# Altium PCB Fastino-DIOT.PCBDOC (part 6 of 22)
Units mm, origin at the board's own origin, x right, y up, seen from the top; angles counter-clockwise.
Board outline 222.63 x 100.1 mm, 8 copper layers (L1, L2, L3, P4, L5, L6, P7, L8), stack 1.563 mm thick; 1030 components, 787 nets, 3312 pads, 2498 vias.
Unrouted connection lines stored in the file: 424.
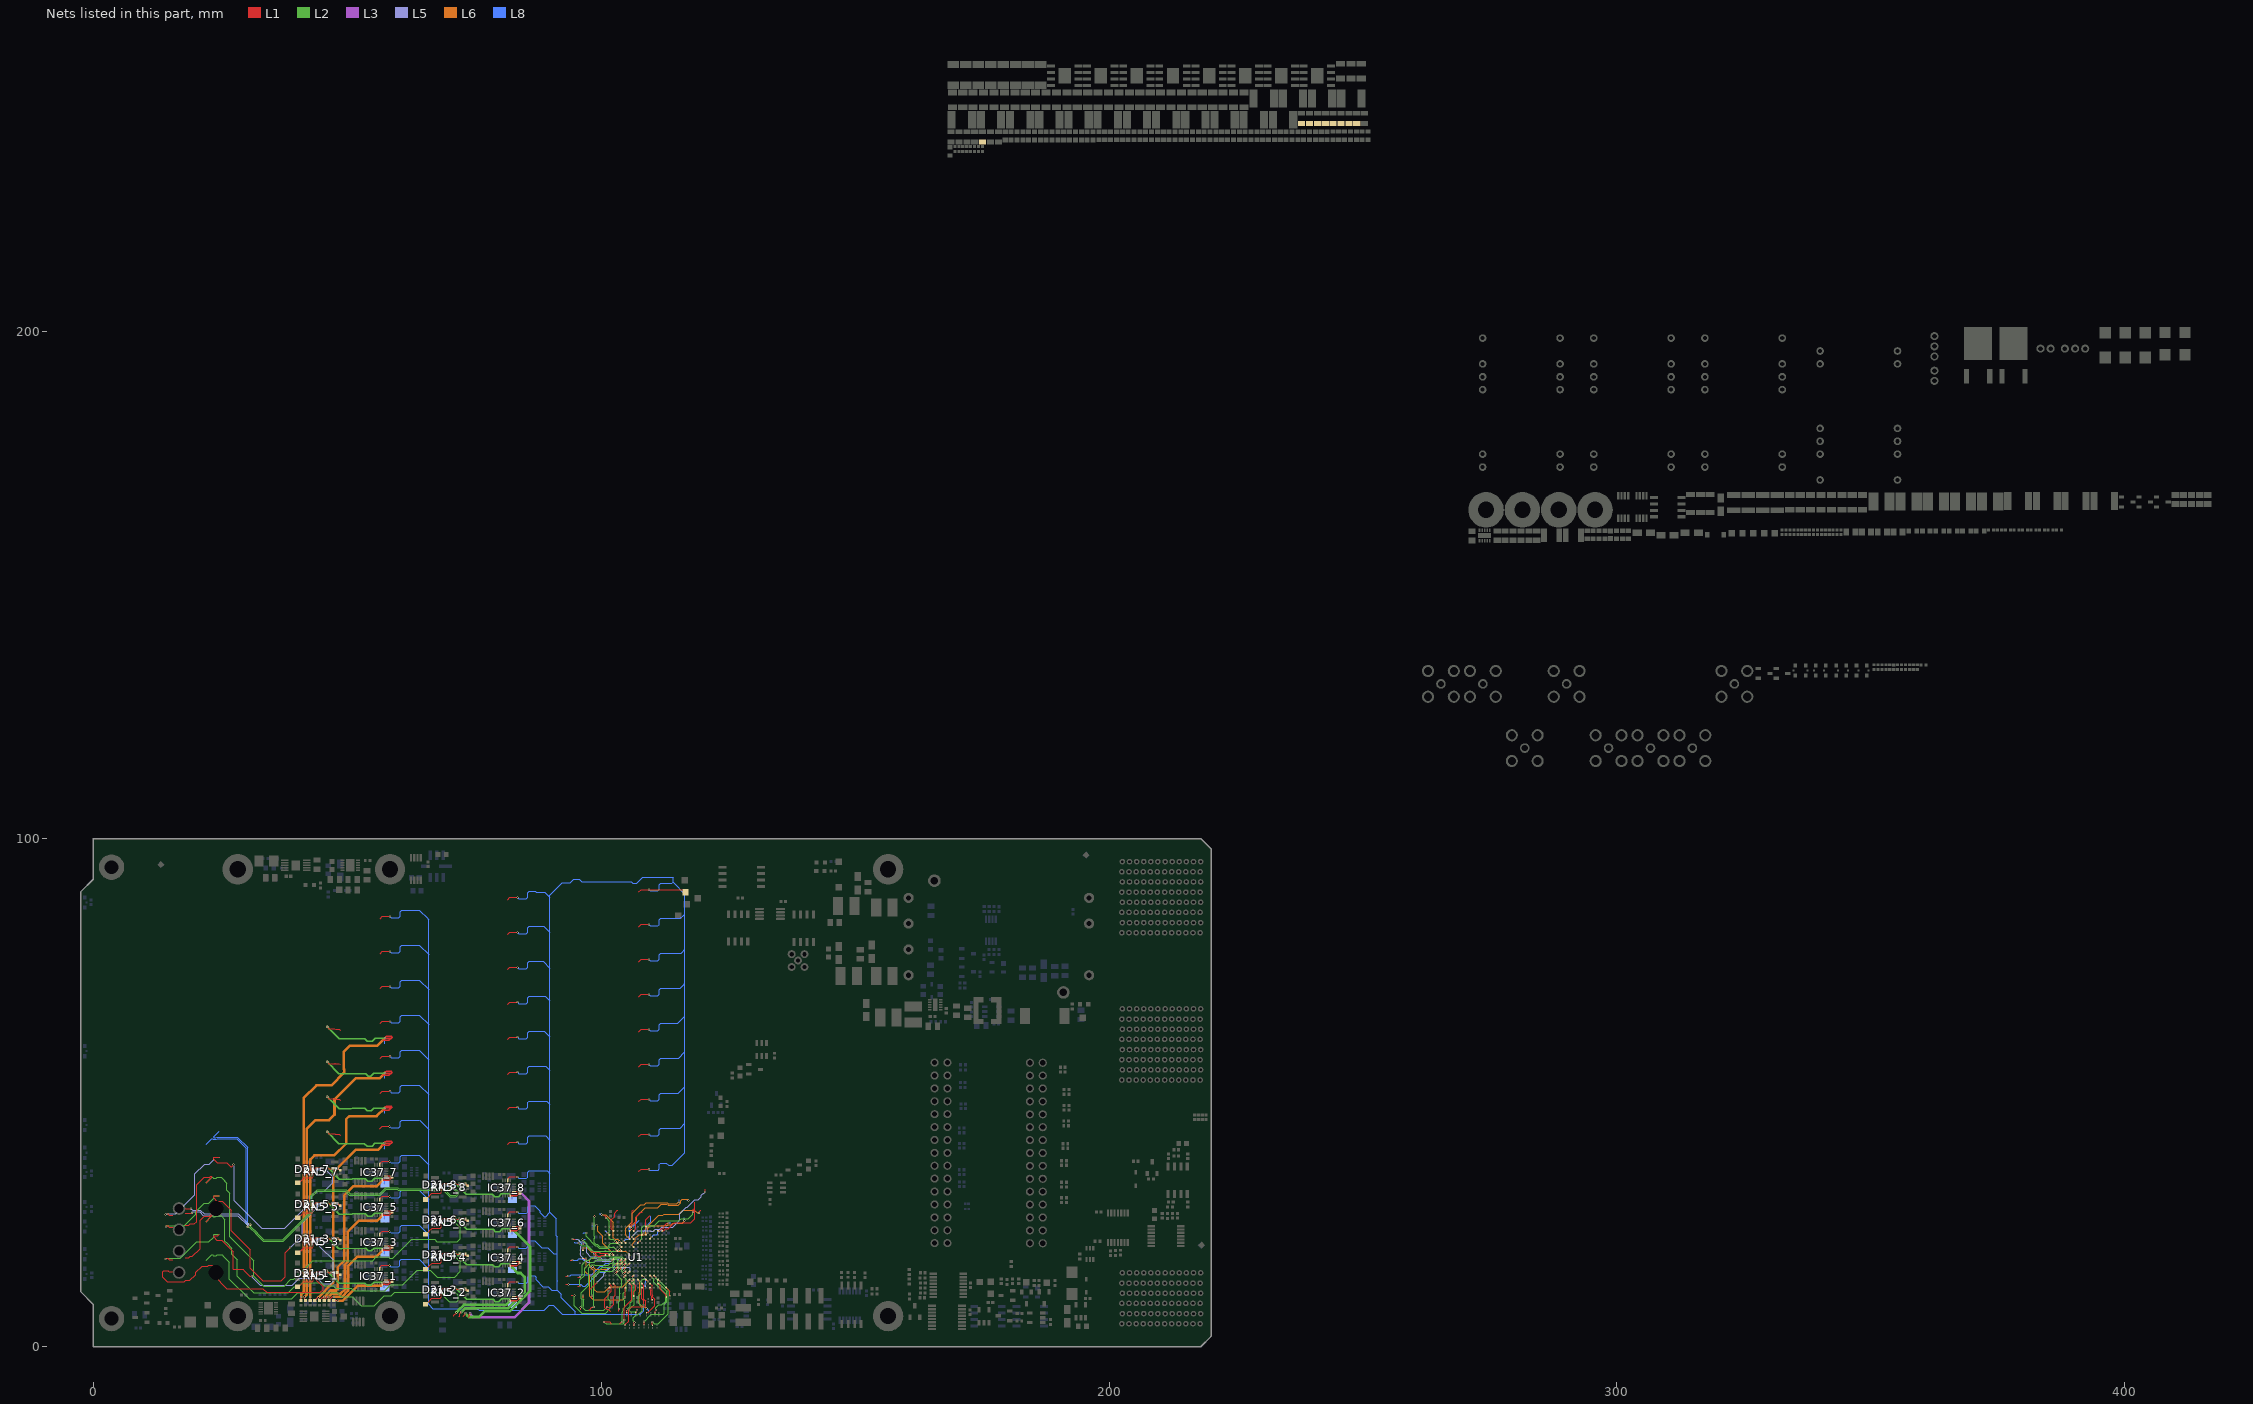
[diagram p12: the nets of this part, all layers, seen from the top]

## Via types
v1: diameter 0.4, hole 0.2, L1 to L8, tented both sides, 1919 vias
v2: diameter 0.5, hole 0.2, L1 to L8, tented both sides, 270 vias
v3: diameter 0.4, hole 0.2, L1 to L8, 170 vias
v4: diameter 0.7, hole 0.4, L1 to L8, tented both sides, 110 vias
v5: diameter 0.7, hole 0.4, L1 to L8, 29 vias

## Nets (pads, with @x,y where several pads share a name; then routed paths per layer and width w, separated by ;. In a path a pad name is that pad's centre, name@x,y a point inside that pad or via, vN(x,y) a via of type N, cw(c..) or ccw(c..) an arc to the next point about the centre after c; other vN are vias at no path point) (continued)
DAC_OUT_N8: R67_8.2 R73_8.1 | length 91.7
  L1 w0.152: 18.11,27.1 18.137,27.127 19.179,27.127 v1(19.206,27.154)
  L2 w0.152: v2(30.86,24.028) 30.927,23.961 30.927,23.733 32.252,22.408 32.252,22.337 33.556,21.033 37.25,21.033 42.799,26.582 42.799,29.692 44.032,30.925 49.75,30.925 50.55,30.125 56.349,30.125 57.549,31.325 59.915,31.325 60.176,31.064 69.062,31.064 70.281,29.845 71.322,29.845 71.653,30.176 71.653,30.302 70.706,31.249 70.423,31.249 70.258,31.084 v2(70.164,31.084)
  L5 w0.152: v1(19.206,27.154) 19.209,27.154 19.51,26.852 21.054,26.852 21.794,26.113 28.547,26.113 30.566,24.094 30.794,24.094 v2(30.86,24.028)
  L8 w0.152: 24.77,42.406 23.671,41.307 23.671,41.181 23.76,41.092 24.075,41.092 24.246,41.262 28.334,41.262 30.382,39.214 30.382,24.278 30.566,24.094 30.794,24.094 v2(30.86,24.028) ; v2(70.164,31.084) v2@70.214,31.084 ; v2@70.214,31.033 70.265,31.084 70.699,31.084 R67_8.2@70.993,31.379
DAC_OUT_P1: D21_1.3 R2_1.2 R58_1.1 | length 53.2
  L1 w0.152: 15.6,14.7 14.928,14.7 14.776,14.852 14.776,14.858 14.687,14.948 13.868,14.948 13.691,14.77 13.691,13.614 14.554,12.751 17.844,12.751 18.133,13.039 19.009,13.039 20.142,14.172 20.142,14.604 21.388,15.85 22.552,15.85 22.73,16.027 23.326,16.027 23.594,15.76 23.594,15.507 23.683,15.418 23.818,15.418 24.77,14.466 24.538,14.466 23.742,14.466 23.652,14.377 23.652,14.058 26.283,11.427 33.352,11.427 34.086,10.693 44.703,10.693 45.212,11.202 45.212,11.753 43.993,12.972 43.993,13.775 44.353,14.135 44.699,14.135 v2@44.864,14.3 ; R2_1.2@40.224,11.801 R2_1.2@40.325,11.801 ; R2_1.2@40.488,11.989 40.488,12.064 40.598,12.175 40.775,12.175 41.377,12.776 43.131,12.776 43.273,12.918 43.273,14.266 43.79,14.783 44.729,14.783 44.892,14.62 v2@44.892,14.322
  L8 w0.152: D21_1.3@44.517,14.315 44.532,14.3 v2(44.958,14.3)
DAC_OUT_P2: D21_2.3 R2_2.2 R58_2.1 | length 69.3
  L1 w0.152: R2_2.2@65.836,8.661 66.3,9.126 66.3,9.175 66.66,9.535 68.336,9.535 68.478,9.677 68.478,11.025 68.995,11.542 69.935,11.542 70.098,11.38 v2@70.098,11.081
  L2 w0.152: 22.23,17.006 23.329,18.105 23.455,18.105 23.634,17.927 24.201,17.927 24.334,18.059 25.35,18.059 25.585,17.825 26.784,16.625 26.784,13.272 30.633,9.423 39.09,9.423 40.258,10.592 47.983,10.592 48.755,9.82 50.955,9.82 52.775,8 55.32,8 57.29,9.97 58.634,9.97 59.35,10.686 68.232,10.686 70.079,8.839 71.526,8.839 71.793,9.107 71.793,10.095 70.994,10.894 70.423,10.894 70.258,11.059 v2(70.164,11.059)
  L8 w0.152: D21_2.3@69.723,11.074 69.738,11.059 v2(70.164,11.059)
DAC_OUT_P3: D21_3.3 R2_3.2 R58_3.1 | length 65.2
  L1 w0.152: v1(14.199,17.236) 14.266,17.236 14.377,17.348 14.687,17.348 14.776,17.258 14.776,17.252 14.928,17.1 15.6,17.1 ; 24.77,22.086 24.521,21.837 23.742,21.837 23.652,21.748 23.652,21.622 24.301,20.973 25.264,20.973 27.564,18.673 27.564,15.24 29.458,15.24 29.636,15.062 30.809,13.89 31.153,13.89 v1(31.183,13.86) ; R2_3.2@40.615,18.593 40.615,18.855 40.652,18.893 40.829,18.893 ; v2@44.948,20.955 v2(45.013,21.019) ; v2@44.968,21.019 44.946,21.04 44.946,21.339 44.784,21.501 43.844,21.501 43.327,20.985 43.327,19.637 43.185,19.495 41.527,19.495 ; 40.829,18.893 40.925,18.893 41.527,19.495 ; 40.829,18.893 41.431,19.495 41.527,19.495
  L2 w0.152: v1(14.199,17.236) 14.266,17.236 14.377,17.348 17.071,17.348 20.322,20.599 22.7,20.599 23.652,21.552 23.652,21.997 23.742,22.086 24.77,22.086 ; v2(45.013,21.019) v2@45.107,21.019
  L5 w0.152: v1(31.183,13.86) 31.23,13.813 31.23,13.656 32.821,12.065 39.192,12.065 40.564,13.437 44.043,13.437 45.135,12.344 46.735,12.344 47.247,12.856 47.247,17.052 44.699,19.6 44.688,19.6 44.14,20.149 44.14,20.586 44.408,20.854 44.753,20.854 44.918,21.019 v2(45.013,21.019)
  L8 w0.152: D21_3.3@44.572,21.034 44.587,21.019 v2(45.013,21.019)
DAC_OUT_P4: D21_4.3 R2_4.2 R58_4.1 | length 91.7
  L1 w0.152: 18.11,17.5 18.782,17.5 18.934,17.652 18.934,17.658 19.023,17.748 19.474,17.748 20.988,19.261 20.988,24.909 21.783,25.705 22.877,25.705 23.113,25.941 23.24,25.941 23.329,25.852 23.329,25.725 22.23,24.626 ; R2_4.2@65.71,15.342 65.71,15.422 66.266,15.978 66.266,16.01 66.678,16.422 68.336,16.422 68.478,16.564 68.478,17.912 68.995,18.429 69.935,18.429 70.098,18.266 v2@70.098,17.967
  L2 w0.152: 22.23,24.626 23.329,25.725 23.455,25.725 23.634,25.547 24.013,25.547 24.196,25.73 25.155,25.73 25.883,25.003 25.883,20.753 26.22,20.415 27.237,19.398 27.237,18.153 27.845,17.545 28.27,17.12 28.27,13.895 31.522,10.643 38.405,10.643 39.573,11.811 40.436,11.811 41.15,12.525 44.9,12.525 45.48,11.945 47.253,11.945 47.699,11.5 50.756,11.5 51.261,10.995 57.326,10.995 58.531,12.2 60.891,12.2 63.728,15.037 66.333,15.037 67.679,13.691 71.119,13.691 72.238,14.81 72.238,16.737 71.194,17.781 70.423,17.781 70.258,17.946 v2(70.164,17.946)
  L8 w0.152: D21_4.3@69.723,17.961 69.738,17.946 v2(70.164,17.946)
DAC_OUT_P5: D21_5.3 R2_5.2 R58_5.1 | length 67.3
  L1 w0.152: v1(14.275,23.636) 14.342,23.636 14.453,23.748 14.703,23.748 14.776,23.675 14.776,23.652 14.928,23.5 15.6,23.5 ; 24.77,29.706 23.742,29.706 23.652,29.617 23.652,29.298 24.323,28.628 25.397,28.628 27.178,26.847 27.178,22.828 30.897,19.109 30.897,15.417 33.359,12.954 37.008,12.954 37.795,13.742 37.795,18.521 38.62,19.345 38.62,19.502 v1(38.667,19.55) ; R2_5.2@40.411,25.679 40.552,25.679 R2_5.2@40.659,25.787 ; R2_5.2@40.665,25.781 40.792,25.781 41.393,26.381 43.185,26.381 43.327,26.523 43.327,27.871 43.844,28.388 44.784,28.388 44.946,28.225 44.946,27.927 v2@44.968,27.905 ; v2@44.948,27.841 v2(45.013,27.905)
  L2 w0.152: v1(14.275,23.636) 14.342,23.636 14.453,23.748 17.843,23.748 20.113,26.017 20.113,26.538 21.794,28.219 22.7,28.219 23.652,29.172 23.652,29.617 23.742,29.706 24.77,29.706 ; v2(45.013,27.905) v2@45.107,27.905
  L5 w0.152: v1(38.667,19.55) 38.715,19.597 38.872,19.597 41.072,21.797 41.072,24.409 44.403,27.74 44.753,27.74 44.918,27.905 v2(45.013,27.905)
  L8 w0.152: D21_5.3@44.572,27.92 44.587,27.905 v2(45.013,27.905)
DAC_OUT_P6: D21_6.3 R2_6.2 R58_6.1 | length 99.2
  L1 w0.152: 18.11,23.9 18.782,23.9 18.934,24.052 18.934,24.058 19.023,24.148 19.887,24.148 20.295,24.555 20.295,31.836 21.783,33.325 22.877,33.325 23.113,33.561 23.24,33.561 23.329,33.472 23.329,33.345 22.23,32.246 ; R2_6.2@65.43,22.079 65.48,22.079 66.137,22.735 66.137,22.767 66.678,23.309 68.336,23.309 68.478,23.451 68.478,24.798 68.995,25.315 69.935,25.315 70.098,25.153 v2@70.098,24.854
  L2 w0.152: 22.23,32.246 23.329,33.345 23.455,33.345 23.634,33.167 24.201,33.167 24.334,33.299 25.206,33.299 25.823,32.682 25.823,32.572 26.238,32.157 26.238,30.811 26.886,30.164 26.886,21.628 31.611,16.903 31.611,13.805 33.516,11.9 37.532,11.9 38.893,13.26 39.471,13.26 43.153,16.942 54.992,16.942 55.708,17.658 58.086,17.658 58.339,17.405 58.962,17.405 62.674,21.116 67.202,21.116 67.643,20.676 71.678,20.676 72.213,21.21 72.213,23.392 70.937,24.668 70.423,24.668 70.258,24.833 v2(70.164,24.833)
  L8 w0.152: D21_6.3@69.723,24.848 69.738,24.833 v2(70.164,24.833)
DAC_OUT_P7: D21_7.3 R2_7.2 R58_7.1 | length 69.7
  L1 w0.127: v1@27.559,35.714 v1(27.559,35.811)
  L1 w0.152: 14.402,26.148 14.687,26.148 14.776,26.058 14.776,26.052 14.928,25.9 15.6,25.9 ; 24.77,37.326 23.742,37.326 23.652,37.237 23.652,36.918 24.352,36.219 26.233,36.219 27.033,35.419 27.264,35.419 v1@27.559,35.714 ; R2_7.2@40.564,32.614 40.589,32.588 40.818,32.588 41.498,33.268 43.185,33.268 43.327,33.41 43.327,34.758 43.844,35.275 44.784,35.275 44.946,35.112 v2@44.946,34.813 ; v2@44.948,34.728 v2(45.013,34.792)
  L5 w0.127: v1(27.559,35.811) 27.559,35.737 27.683,35.614 27.683,28.691 33.107,23.266 37.632,23.266 42.951,28.586 42.951,29.732 43.826,30.607 45.455,30.607 47.103,32.255 47.103,33.48 45.969,34.614 45.273,34.614 45.096,34.792 v2(45.013,34.792)
  L5 w0.152: v1(14.224,26.036) 14.291,26.036 14.402,26.148 16.215,26.148 19.988,29.92 19.988,34.034 21.897,35.943 22.803,35.943 23.652,36.792 23.652,37.237 23.742,37.326 24.77,37.326 ; v1@14.224,26.086 v1@14.226,26.084
  L8 w0.152: D21_7.3@44.572,34.807 44.587,34.792 v2(45.013,34.792)
DAC_OUT_P8: D21_8.3 R2_8.2 R58_8.1 | length 99.4
  L1 w0.152: 18.11,26.3 18.115,26.305 19.399,26.305 v1(19.405,26.311) ; R2_8.2@65.43,28.966 65.48,28.966 66.259,29.744 66.259,29.79 66.664,30.195 68.336,30.195 68.478,30.337 68.478,31.685 68.995,32.202 69.935,32.202 70.098,32.039 v2@70.098,31.741
  L2 w0.152: v2(30.417,23.584) 30.483,23.518 30.711,23.518 31.947,22.282 31.947,22.211 33.43,20.728 37.376,20.728 43.104,26.456 43.104,29.566 44.158,30.62 49.624,30.62 50.424,29.82 56.35,29.82 56.475,29.82 57.675,31.02 59.789,31.02 60.05,30.759 68.936,30.759 70.155,29.54 71.449,29.54 71.958,30.05 71.958,30.428 70.832,31.554 70.423,31.554 70.258,31.719 v2(70.164,31.719)
  L5 w0.152: v1(19.405,26.311) 19.452,26.358 19.452,26.543 19.457,26.548 20.928,26.548 21.667,25.808 28.421,25.808 30.35,23.879 30.35,23.651 v2(30.417,23.584)
  L8 w0.152: 22.23,39.866 23.329,40.965 23.455,40.965 23.634,40.787 24.201,40.787 24.372,40.957 28.207,40.957 30.077,39.088 30.077,24.152 30.35,23.879 30.35,23.651 v2(30.417,23.584) ; D21_8.3@69.723,31.734 69.738,31.719 v2(70.164,31.719)
DAC_REF_P5V1: C101_1.2 C138_1.1 IC37_1.4 IC37_1.5 R1.2 R297_1.2 RN5_1.3 | length 33.1
  L1 w0.127: v2(45.949,14.884) 46.304,14.529 RN5_1.3@47.473,14.529 ; RN5_1.3@47.473,14.554 47.674,14.352 48.442,14.352 48.603,14.191 R297_1.2@48.603,14.166 ; IC37_1.5@57.355,12.986 57.435,13.066 IC37_1.5@57.605,13.066
  L1 w0.203: R1.2@47.346,9.246 R1.2@47.346,9.296 ; R1.2@47.371,9.093 v1@47.981,9.093
  L1 w0.254: IC37_1.4@56.855,12.316 56.855,12.264 56.876,12.243 58.052,12.243 58.352,12.542 58.431,12.542 C101_1.2@58.563,12.675 ; v1(57.302,12.675) C101_1.2@58.563,12.675 ; IC37_1.5@57.605,13.066 57.613,13.057 C101_1.2@58.698,13.057 ; C101_1.2@58.767,12.878 C101_1.2@58.563,12.675
  L2 w0.254: v2(45.949,14.884) 48.358,12.475 50.875,12.475 50.917,12.517 53.433,12.517 53.9,12.05 54.65,12.05 55.262,12.662 57.29,12.662 v1(57.302,12.675)
  L6 w0.508: v1(48.108,9.017) 49.064,9.017 52.014,11.967 56.594,11.967 v1@57.277,12.649
  L8 w0.127: C138_1.1@57.243,11.597 57.302,11.657 v1(57.302,12.675)
DAC_REF_P5V2: C101_2.2 C138_2.1 IC37_2.4 IC37_2.5 R272.2 R297_2.2 RN5_2.3 | length 34.9
  L1 w0.127: 70.993,5.982 70.993,6.198 v1(71.501,6.706) ; v2(71.154,11.644) 71.51,11.288 RN5_2.3@72.678,11.288 ; RN5_2.3@72.678,11.313 72.822,11.17 73.696,11.17 R297_2.2@73.857,11.008 ; IC37_2.5@82.56,9.746 82.64,9.825 IC37_2.5@82.81,9.825
  L1 w0.254: IC37_2.4@82.06,9.075 82.06,9.023 IC37_2.4@82.076,9.007 ; IC37_2.4@82.076,9.129 IC37_2.4@82.076,9.007 ; v1(82.508,9.434) C101_2.2@83.769,9.434 ; IC37_2.5@82.81,9.825 82.819,9.817 C101_2.2@83.903,9.817 ; C101_2.2@84.007,9.713 84.007,9.672 C101_2.2@83.972,9.638 C101_2.2@83.769,9.434 ; IC37_2.4@82.076,9.007 82.081,9.002 83.258,9.002 83.557,9.302 83.636,9.302 C101_2.2@83.769,9.434
  L2 w0.254: v2(71.154,11.644) 73.48,9.317 78.719,9.317 79.162,8.875 79.85,8.875 80.396,9.421 v1@82.446,9.421
  L2 w0.508: v1@71.501,6.749 v1(71.501,6.706) 71.826,7.03 71.826,7.073 72.96,8.207 81.232,8.207 v1@82.446,9.421
  L8 w0.127: C138_2.1@82.448,8.357 82.508,8.416 v1(82.508,9.434)
DAC_REF_P5V3: C101_3.2 C138_3.1 IC37_3.4 IC37_3.5 R4.2 R297_3.2 RN5_3.3 | length 39.9
  L1 w0.127: v2(46.003,21.603) 46.359,21.247 RN5_3.3@47.527,21.247 ; IC37_3.5@57.409,19.705 57.489,19.785 IC37_3.5@57.659,19.785
  L1 w0.203: 46.38,9.106 47.053,9.779 v1(47.371,9.779)
  L1 w0.254: RN5_3.3@47.527,21.273 47.7,21.1 48.455,21.1 48.603,20.951 R297_3.2@48.603,20.926 ; IC37_3.4@56.909,19.035 56.909,18.983 IC37_3.4@56.925,18.967 ; IC37_3.4@56.925,19.088 IC37_3.4@56.925,18.967 ; v1(57.357,19.393) C101_3.2@58.618,19.393 ; IC37_3.5@57.659,19.785 57.668,19.776 C101_3.2@58.752,19.776 ; C101_3.2@58.856,19.673 58.856,19.631 C101_3.2@58.821,19.597 C101_3.2@58.618,19.393 ; IC37_3.4@56.925,18.967 56.93,18.961 58.107,18.961 58.406,19.261 58.485,19.261 C101_3.2@58.618,19.393
  L2 w0.254: v2(46.003,21.603) 48.205,19.401 48.28,19.327 48.404,19.288 48.561,19.235 48.937,19.235 53.434,19.332 53.642,19.332 54.125,18.85 54.725,18.85 55.256,19.381 57.345,19.381 v1(57.357,19.393)
  L6 w0.508: v1(47.371,9.779) 48.928,9.779 50.168,11.019 50.168,15.904 51.93,17.666 55.664,17.666 v1@57.379,19.38
  L8 w0.127: C138_3.1@57.297,18.316 57.357,18.376 v1(57.357,19.393)
DAC_REF_P5V4: C101_4.2 C138_4.1 IC37_4.4 IC37_4.5 R5.2 R297_4.2 RN5_4.3 | length 44.2
  L1 w0.127: v2(71.154,18.53) 71.51,18.175 RN5_4.3@72.678,18.175 ; RN5_4.3@72.678,18.2 72.863,18.015 73.643,18.015 R297_4.2@73.805,17.853 ; IC37_4.5@82.56,16.632 82.64,16.712 IC37_4.5@82.81,16.712
  L1 w0.203: 71.907,5.982 72.156,5.982 72.181,6.007 72.181,6.478 72.423,6.719 72.423,6.848 v1@72.403,6.868
  L1 w0.254: IC37_4.4@82.06,15.962 82.06,15.91 IC37_4.4@82.076,15.894 ; IC37_4.4@82.076,16.016 IC37_4.4@82.076,15.894 ; v1(82.508,16.32) C101_4.2@83.769,16.32 ; IC37_4.5@82.81,16.712 82.819,16.703 C101_4.2@83.903,16.703 ; C101_4.2@84.007,16.6 84.007,16.558 C101_4.2@83.972,16.524 C101_4.2@83.769,16.32 ; IC37_4.4@82.076,15.894 82.081,15.889 83.258,15.889 83.557,16.188 83.636,16.188 C101_4.2@83.769,16.32
  L2 w0.254: v2(71.154,18.53) 73.522,16.162 78.58,16.162 78.993,15.75 79.778,15.75 80.336,16.308 82.496,16.308 v1(82.508,16.32)
  L2 w0.508: v1(72.461,6.81) 73.223,7.572 81.721,7.572 84.92,10.771 84.92,13.708 84.141,14.487 83.555,14.487 82.508,15.535 v1(82.508,16.32)
  L8 w0.127: C138_4.1@82.448,15.243 82.508,15.303 v1(82.508,16.32)
  L8 w0.203: v1@72.423,6.848 v1(72.461,6.81)
DAC_REF_P5V5: C101_5.2 C138_5.1 IC37_5.4 IC37_5.5 R6.2 R297_5.2 RN5_5.3 | length 108.6
  L1 w0.127: v2(46.003,28.49) 46.359,28.134 RN5_5.3@47.527,28.134 ; v2(46.003,42.263) 46.359,41.907 47.527,41.907 ; 47.527,41.933 47.646,41.814 48.442,41.814 48.603,41.653 48.603,41.628 ; IC37_5.5@57.409,26.591 57.489,26.671 IC37_5.5@57.659,26.671 ; 57.409,40.365 57.489,40.445 57.659,40.445
  L1 w0.203: R6.2@43.566,9.081 43.586,9.081 43.896,9.39 43.896,9.416 44.182,9.703 v1(44.323,9.703) ; 45.456,9.102 45.476,9.102 45.842,9.467 45.842,9.491 46.067,9.716 46.292,9.716 v1(46.33,9.754)
  L1 w0.254: RN5_5.3@47.527,28.159 48.002,28.159 48.267,27.894 48.505,27.894 48.603,27.796 R297_5.2@48.603,27.771 ; IC37_5.4@56.909,25.921 56.909,25.869 IC37_5.4@56.925,25.853 ; 56.909,39.695 56.909,39.642 56.925,39.626 ; IC37_5.4@56.925,25.975 IC37_5.4@56.925,25.853 ; 56.925,39.748 56.925,39.626 ; v1(57.357,26.28) C101_5.2@58.618,26.28 ; v1(57.357,40.053) 58.618,40.053 ; IC37_5.5@57.659,26.671 57.668,26.663 C101_5.2@58.752,26.663 ; 57.659,40.445 57.668,40.436 58.752,40.436 ; C101_5.2@58.856,26.559 58.856,26.518 C101_5.2@58.821,26.484 C101_5.2@58.618,26.28 ; 58.856,40.332 58.856,40.291 58.821,40.257 58.618,40.053 ; IC37_5.4@56.925,25.853 56.93,25.848 58.107,25.848 58.406,26.148 58.485,26.148 C101_5.2@58.618,26.28 ; 56.925,39.626 56.93,39.621 58.107,39.621 58.406,39.921 58.485,39.921 58.618,40.053
  L2 w0.254: v2(46.003,28.49) 48.429,26.064 50.937,26.064 50.995,26.122 53.503,26.122 54,25.625 54.775,25.625 55.417,26.267 57.345,26.267 v1(57.357,26.28) ; v2(46.003,42.263) 48.334,39.932 50.83,39.932 50.876,39.978 53.372,39.978 53.875,39.475 54.875,39.475 55.441,40.041 57.345,40.041 v1(57.357,40.053)
  L6 w0.508: v1(44.323,9.703) 47.193,12.573 47.193,34.299 51.642,38.748 56.045,38.748 v1@57.353,40.056 ; v1@46.33,9.728 v1(46.33,9.754) 46.99,10.414 48.665,10.414 49.533,11.282 49.533,16.167 50.063,16.697 50.063,22.581 52.299,24.816 55.905,24.816 v1@57.353,26.264
  L8 w0.127: C138_5.1@57.297,25.203 57.357,25.262 v1(57.357,26.28) ; 57.297,38.976 57.357,39.035 v1(57.357,40.053)
DAC_REF_P5V6: C101_6.2 C138_6.1 IC37_6.4 IC37_6.5 R10.2 R297_6.2 RN5_6.3 | length 122.8
  L1 w0.127: v2(46.029,49.195) 46.385,48.84 47.553,48.84 ; 47.553,48.865 47.713,48.705 48.442,48.705 48.603,48.544 48.603,48.519 ; 57.435,47.297 57.515,47.377 57.685,47.377 ; v2(71.154,25.417) 71.51,25.061 RN5_6.3@72.678,25.061 ; RN5_6.3@72.678,25.087 73.153,25.087 73.458,24.782 R297_6.2@73.857,24.782 ; IC37_6.5@82.56,23.519 82.64,23.599 IC37_6.5@82.81,23.599
  L1 w0.203: R10.2@42.68,9.081 v1(42.68,9.728) ; 72.822,5.982 72.847,5.982 73.228,6.363 v1(73.228,6.579)
  L1 w0.254: 56.935,46.627 56.935,46.575 56.951,46.559 ; 56.951,46.681 56.951,46.559 ; v1(57.383,46.986) 58.644,46.986 ; 57.685,47.377 57.694,47.368 58.778,47.368 ; 58.882,47.265 58.882,47.223 58.847,47.189 58.644,46.986 ; IC37_6.4@82.06,22.849 82.06,22.797 82.081,22.775 83.258,22.775 83.557,23.075 83.636,23.075 C101_6.2@83.769,23.207 ; v1(82.508,23.207) C101_6.2@83.769,23.207 ; IC37_6.5@82.81,23.599 82.819,23.59 C101_6.2@83.903,23.59 ; C101_6.2@83.972,23.411 C101_6.2@83.769,23.207 ; 56.951,46.559 56.956,46.554 58.133,46.554 58.432,46.853 58.511,46.853 58.644,46.986
  L2 w0.254: v2(46.029,49.195) 48.409,46.815 50.773,46.815 50.921,46.963 53.387,46.963 53.925,46.425 54.663,46.425 55.211,46.973 57.371,46.973 v1(57.383,46.986) ; v2(71.154,25.417) 73.48,23.091 78.719,23.091 79.16,22.65 79.972,22.65 80.516,23.195 82.496,23.195 v1(82.508,23.207)
  L2 w0.508: v1(73.228,6.579) 73.228,6.468 73.88,5.817 75.921,5.817 77.041,6.937 81.984,6.937 85.979,10.932 85.979,19.671 82.508,23.142 v1(82.508,23.207)
  L6 w0.508: v1(42.68,9.728) 42.697,9.746 42.697,36.855 43.485,37.643 47.396,37.643 49.784,40.03 49.784,44.78 50.394,45.39 55.778,45.39 v1@57.379,46.99
  L8 w0.127: 57.323,45.908 57.383,45.968 v1(57.383,46.986) ; C138_6.1@82.448,22.13 82.508,22.189 v1(82.508,23.207)
DAC_REF_P5V7: C101_7.2 C138_7.1 IC37_7.4 IC37_7.5 R12.2 R297_7.2 RN5_7.3 | length 132.3
  L1 w0.127: v2(46.003,35.376) 46.359,35.021 RN5_7.3@47.527,35.021 ; v2(46.029,56.082) 46.385,55.726 47.553,55.726 ; RN5_7.3@47.527,35.046 47.687,34.886 48.442,34.886 48.603,34.724 R297_7.2@48.603,34.699 ; 47.553,55.752 47.557,55.748 48.442,55.748 48.603,55.586 48.603,55.561 ; IC37_7.5@57.409,33.478 57.489,33.558 IC37_7.5@57.659,33.558 ; 57.435,54.184 57.515,54.264 57.685,54.264
  L1 w0.203: v1@41.554,9.83 v1(41.58,9.804) 41.582,9.802 41.582,9.294 41.771,9.106 R12.2@41.791,9.106 ; 44.483,9.081 44.503,9.081 45.139,9.716 45.428,9.716 v1(45.466,9.754)
  L1 w0.254: IC37_7.4@56.909,32.808 56.909,32.756 IC37_7.4@56.925,32.74 ; IC37_7.4@56.925,32.862 IC37_7.4@56.925,32.74 ; 56.935,53.514 56.935,53.462 56.951,53.446 ; 56.951,53.567 56.951,53.446 ; v1(57.357,33.166) C101_7.2@58.618,33.166 ; v1(57.383,53.872) 58.644,53.872 ; IC37_7.5@57.659,33.558 57.668,33.549 C101_7.2@58.752,33.549 ; 57.685,54.264 57.694,54.255 58.778,54.255 ; C101_7.2@58.856,33.446 58.856,33.404 C101_7.2@58.821,33.37 C101_7.2@58.618,33.166 ; 58.882,54.152 58.882,54.11 58.847,54.076 58.644,53.872 ; IC37_7.4@56.925,32.74 56.93,32.735 58.107,32.735 58.406,33.034 58.485,33.034 C101_7.2@58.618,33.166 ; 56.951,53.446 56.956,53.44 58.133,53.44 58.432,53.74 58.511,53.74 58.644,53.872
  L2 w0.254: v2(46.003,35.376) 48.381,32.998 50.949,32.998 51.001,33.05 53.568,33.05 54.043,32.575 54.786,32.575 55.365,33.154 57.345,33.154 v1(57.357,33.166) ; v2(46.029,56.082) 48.355,53.756 50.962,53.756 50.975,53.769 53.581,53.769 54.075,53.275 54.626,53.275 55.211,53.86 57.371,53.86 v1(57.383,53.872)
  L6 w0.508: v1(41.58,9.804) 42.045,10.269 42.045,42.908 43.739,44.602 46.406,44.602 47.473,45.669 47.473,48.666 51.625,52.819 56.299,52.819 v1@57.379,53.899 ; v1(45.466,9.754) 45.466,9.788 46.727,11.049 47.816,11.049 48.113,11.347 48.113,12.257 48.111,12.259 48.111,15.642 49.428,16.96 49.428,29.82 51.156,31.547 55.728,31.547 v1@57.328,33.147
  L8 w0.127: C138_7.1@57.297,32.089 57.357,32.149 v1(57.357,33.166) ; 57.323,52.795 57.383,52.854 v1(57.383,53.872)
DAC_REF_P5V8: C101_8.2 C138_8.1 IC37_8.4 IC37_8.5 R14.2 R297_8.2 RN5_8.3 | length 145.1
  L1 w0.127: v2(46.029,62.969) 46.385,62.613 47.553,62.613 ; 47.553,62.638 47.713,62.478 48.442,62.478 48.603,62.317 48.603,62.292 ; 57.435,61.07 57.515,61.15 57.685,61.15 ; v2(71.154,32.303) 71.51,31.948 RN5_8.3@72.678,31.948 ; RN5_8.3@72.678,31.973 72.78,31.871 73.643,31.871 R297_8.2@73.805,31.71 ; IC37_8.5@82.56,30.405 82.64,30.485 IC37_8.5@82.81,30.485
  L1 w0.203: R14.2@40.869,9.081 40.869,9.728 v1(40.894,9.754) ; 73.827,5.819 73.847,5.819 74.035,6.007 74.035,6.342 74.168,6.475 v1(74.168,6.528)
  L1 w0.254: 56.935,60.4 56.935,60.348 56.951,60.332 ; 56.951,60.454 56.951,60.332 ; v1(57.383,60.759) 58.644,60.759 ; 57.685,61.15 57.694,61.142 58.778,61.142 ; 58.882,61.038 58.882,60.997 58.847,60.962 58.644,60.759 ; IC37_8.4@82.06,29.735 82.06,29.683 IC37_8.4@82.076,29.667 ; IC37_8.4@82.076,29.789 IC37_8.4@82.076,29.667 ; v1(82.508,30.094) C101_8.2@83.769,30.094 ; IC37_8.5@82.81,30.485 82.819,30.476 C101_8.2@83.903,30.476 ; C101_8.2@84.007,30.373 84.007,30.332 C101_8.2@83.972,30.297 C101_8.2@83.769,30.094 ; 56.951,60.332 56.956,60.327 58.133,60.327 58.432,60.626 58.511,60.626 58.644,60.759 ; IC37_8.4@82.076,29.667 82.081,29.662 83.258,29.662 83.557,29.961 83.636,29.961 C101_8.2@83.769,30.094